# Altium PCB PCB.PcbDoc (part 3 of 10) (continued)
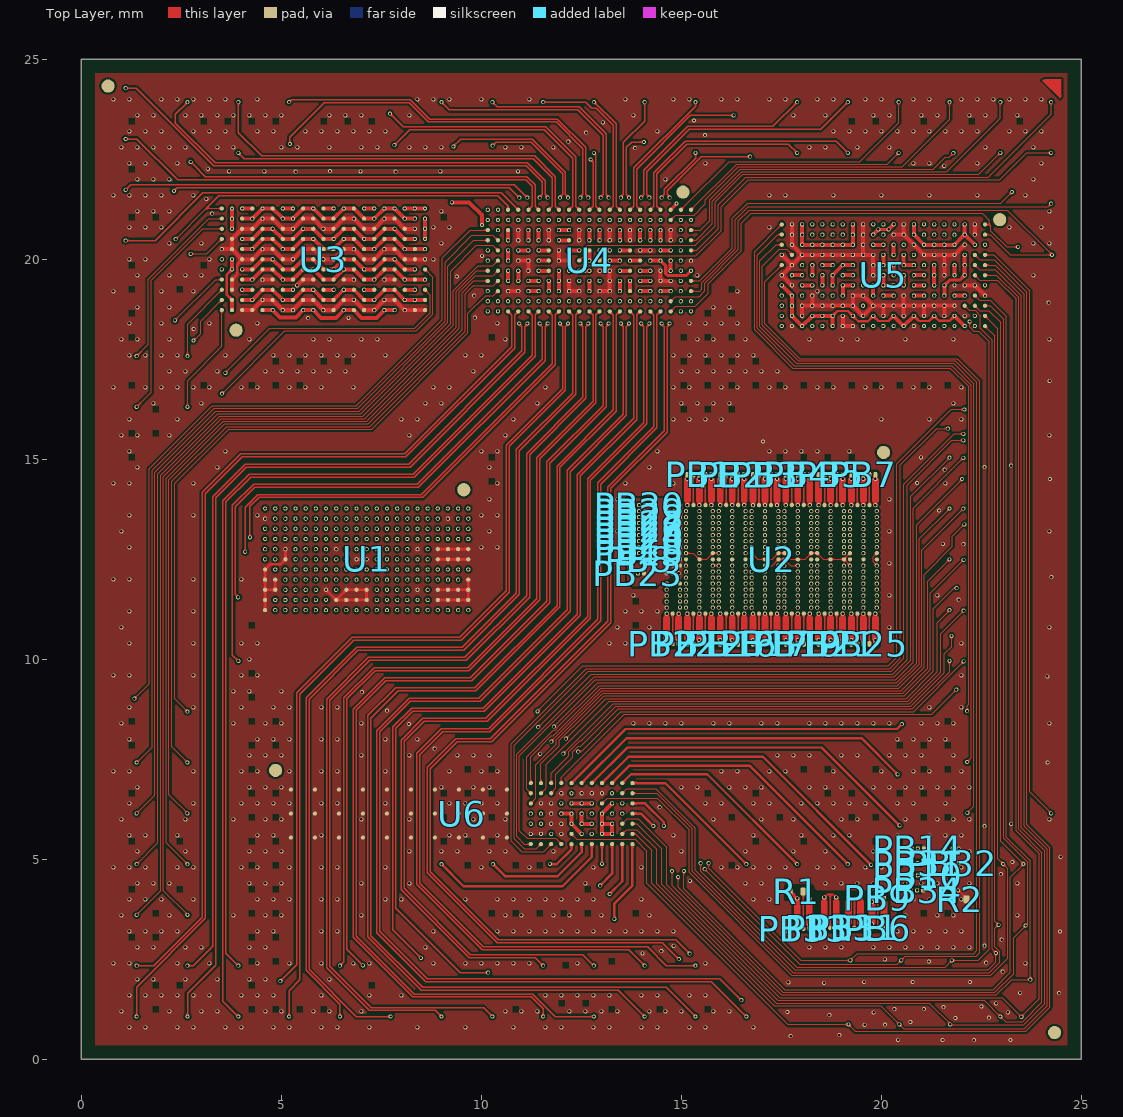
[diagram p0: Top Layer view]
## Nets (pads, with @x,y where several pads share a name; then routed paths per layer and width w, separated by ;. In a path a pad name is that pad's centre, name@x,y a point inside that pad or via, vN(x,y) a via of type N, cw(c..) or ccw(c..) an arc to the next point about the centre after c; other vN are vias at no path point) (continued)
  bu2b w0.1: v8(22.66,22.66) v4(22.86,22.66)
  bu1 w0.03: v5(19.66,14.821) 19.66,14.833 19.599,14.894 19.599,15.336 20.908,16.645 22.484,16.645 23.308,17.469 23.308,20.525 v5(23.404,20.621) 23.404,20.625 23.454,20.675 23.454,20.698 23.451,20.701 23.451,21.052 23.485,21.086 23.485,22.15 v6(22.975,22.661)
  bu1b w0.1: v8(22.66,22.66) v6(22.975,22.661)
  other v1: 19.067,13.404 22.975,22.661
  other v2: 18.02,19.094 22.975,22.661
  other v3: 22.66,22.66
  other v5: 22.975,22.661
  other v7: 22.975,22.661
  other v10: 22.66,22.66
sig_B3: J1.B3 U1.N2 U2.223 U4.U3 | length 42.8
  Top Layer w0.03: U4.U3@15.242,20.73 15.478,20.73 15.709,20.961 15.709,21.493 16.467,22.251 21.295,22.251 21.598,22.554 21.699,22.554 v1(21.801,22.656)
  Core1 w0.1: v3(21.39,22.66) 21.392,22.658 21.799,22.658 v1(21.801,22.656)
  Core1b w0.1: v3(21.39,22.66) v6(21.705,22.661)
  bu3b w0.1: v3(21.39,22.66) v4(21.59,22.66)
  bu2 w0.03: v1(7.895,13.516) 7.895,15.031 10.12,17.256 15.475,17.256 16.627,18.408 16.627,21.704 17.445,22.522 21.667,22.522 v1(21.801,22.656) ; v2@18.397,13.259 18.623,13.485 18.623,13.879 19.302,14.558 v5(19.302,15.224)
  bu2b w0.1: v3(21.39,22.66) v4(21.59,22.66)
  bu1 w0.03: v5(19.302,15.224) 19.302,15.335 20.815,16.848 22.351,16.848 23.044,17.541 23.044,22.131 22.519,22.656 v1(21.801,22.656)
  bu1b w0.1: v3(21.39,22.66) v6(21.705,22.661)
  other v1: 18.397,13.254
  other v2: 18.397,13.254 7.895,13.516 21.801,22.656
  other v5: 21.801,22.656
  other v7: 21.801,22.656
  other v8: 21.39,22.66
  other v10: 21.39,22.66
sig_B4: J1.B4 U1.M3 U2.226 U4.U1 | length 42.7
  Top Layer w0.03: U4.U1@15.242,21.238 16.384,22.38 20.154,22.38 v7(20.435,22.661)
  Core1 w0.1: v3(20.12,22.66) v7(20.435,22.661)
  Core1b w0.1: v3(20.12,22.66) v7(20.435,22.661)
  bu3b w0.1: v3(20.12,22.66) v4(20.32,22.66)
  bu2 w0.03: v1(7.641,13.262) 7.639,15.455 9.831,17.647 15.295,17.647 16.063,18.415 16.063,22.614 16.388,22.939 20.156,22.939 v7(20.435,22.661)
  bu2b w0.1: v3(20.12,22.66) v4(20.32,22.66)
  bu1 w0.03: v1(18.397,12.804) 18.627,13.034 18.627,13.946 19.234,14.553 19.234,15.164 19.212,15.186 19.212,15.345 20.795,16.928 22.319,16.928 22.97,17.579 22.97,22.092 22.511,22.551 21.11,22.551 21.001,22.661 v7(20.435,22.661)
  bu1b w0.1: v3(20.12,22.66) v7(20.435,22.661)
  other v1: 20.435,22.661
  other v2: 18.397,12.804 7.641,13.262 20.435,22.661
  other v5: 18.397,12.804 20.435,22.661
  other v6: 20.435,22.661
  other v8: 20.12,22.66
  other v10: 20.12,22.66
sig_B5: J1.B5 U1.M2 U2.238 U4.Q1 | length 38
  Top Layer w0.035: U4.Q1@14.226,21.238 14.316,21.328 14.316,22.166 15.103,22.953 18.872,22.953 v7(19.165,22.661)
  bu3 w0.03: v1(7.641,13.516) 7.629,13.516 7.551,13.594 7.551,15.22 7.975,15.644 v2(7.98,15.644)
  Core1 w0.1: v3(18.85,22.66) v7(19.165,22.661)
  Core1b w0.1: v3(18.85,22.66) v7(19.165,22.661)
  bu3b w0.1: v3(18.85,22.66) v4(19.05,22.66)
  bu2 w0.03: v2(7.98,15.644) 7.98,15.649 9.901,17.57 15.327,17.57 16.14,18.383 16.14,22.582 16.422,22.864 18.961,22.864 v7(19.165,22.661)
  bu1 w0.03: v2(18.247,12.954) 18.152,13.049 18.152,13.98 18.372,14.2 18.372,14.963 18.351,14.984 18.351,15.133 18.36,15.142 18.36,16.539 17.148,17.751 17.148,21.567 17.908,22.327 18.831,22.327 v7(19.165,22.661)
  bu1b w0.1: v4(19.05,22.66) v7(19.165,22.661)
  other v1: 18.247,12.954 19.165,22.661
  other v2: 19.165,22.661
  other v5: 18.247,12.954 19.165,22.661
  other v6: 19.165,22.661
  other v8: 19.05,22.66
  other v10: 18.85,22.66
sig_B6: J1.B6 U1.M1 U2.235 U4.R1 | length 33.7
  Top Layer w0.035: U4.R1@14.48,21.238 14.39,21.328 14.39,22.135 15.134,22.879 17.676,22.879 v6(17.895,22.661)
  bu3 w0.03: v1(7.641,13.77) 7.641,15.139 7.874,15.372 v2(7.879,15.372)
  Core1 w0.1: v3(17.58,22.66) v6(17.895,22.661)
  Core1b w0.1: v3(17.58,22.66) v6(17.895,22.661)
  bu3b w0.1: v3(17.58,22.66) v4(17.78,22.66)
  bu2 w0.03: v2(7.879,15.372) 7.879,15.377 9.994,17.492 15.36,17.492 16.219,18.351 16.219,22.528 16.49,22.799 17.756,22.799 v6(17.895,22.661) ; v2(18.247,13.404) 18.086,13.565 18.086,14.062 18.282,14.258 v5@18.282,14.891
  bu2b w0.1: v3(17.58,22.66) v4(17.78,22.66)
  bu1 w0.03: v6(17.895,22.661) 17.069,21.835 17.069,17.751 18.281,16.539 v5(18.281,14.892)
  bu1b w0.1: v3(17.58,22.66) v6(17.895,22.661)
  other v1: 18.247,13.404 17.895,22.661
  other v2: 17.895,22.661
  other v5: 17.895,22.661
  other v7: 17.895,22.661
  other v8: 17.58,22.66
  other v10: 17.58,22.66
sig_B7: J1.B7 U1.N3 U2.254 U4.R2 | length 31.2
  Top Layer w0.035: v1(14.708,21.541) 14.708,21.558 14.644,21.622 14.644,21.716 15.493,22.565 v2(16.719,22.565)
  bu3 w0.035: v1(14.48,20.984) 14.708,21.212 v1(14.708,21.541)
  Core1 w0.1: v8(16.31,22.66) 16.635,22.66 16.719,22.576 v2(16.719,22.565)
  Core1b w0.1: v8(16.31,22.66) v6(16.625,22.661)
  bu3b w0.1: v8(16.31,22.66) v4(16.51,22.66)
  bu2 w0.03: v1(7.895,13.262) 7.805,13.352 7.805,13.64 7.811,13.646 7.811,15.043 10.101,17.333 15.443,17.333 16.548,18.438 16.548,22.412 16.701,22.565 v2(16.719,22.565)
  bu2b w0.1: v8(16.31,22.66) v4(16.51,22.66)
  bu1 w0.03: v2(16.719,22.565) 16.585,22.431 16.585,17.635 17.777,16.443 17.777,15.132 17.768,15.123 17.768,14.974 17.788,14.954 17.788,14.67 17.684,14.566 17.684,13.061 v2(17.577,12.954)
  bu1b w0.1: v8(16.31,22.66) v6(16.625,22.661)
  other v1: 17.577,12.954 16.719,22.565
  other v2: 7.895,13.262
  other v3: 16.31,22.66
  other v5: 17.577,12.954 16.719,22.565
  other v7: 16.719,22.565
  other v10: 16.31,22.66
sig_B8: J1.B8 U1.J1 U2.250 U4.Q2 | length 29
  Top Layer w0.035: v1(14.506,21.541) 14.506,21.558 14.57,21.622 14.57,21.747 15.355,22.531 v2(15.355,22.661)
  bu3 w0.03: v1(6.879,13.77) 6.879,16.475 v2@7.675,17.271
  bu3 w0.035: v1(14.226,20.984) 14.506,21.264 v1(14.506,21.541)
  Core1 w0.1: v3(15.04,22.66) v2(15.355,22.661)
  Core1b w0.1: v3(15.04,22.66) v2(15.355,22.661)
  bu3b w0.1: v3(15.04,22.66) v4(15.24,22.66)
  bu2 w0.03: v2(7.679,17.271) 9.464,19.056 9.464,21.785 9.691,22.012 14.706,22.012 v2(15.355,22.661) ; v1(17.577,13.554) 17.677,13.654 17.677,14.76 17.699,14.782 v5(17.698,14.882)
  bu2b w0.1: v3(15.04,22.66) v4(15.24,22.66)
  bu1 w0.03: v2(15.355,22.661) 16.366,21.649 16.366,20.961 16.508,20.819 16.508,17.608 17.698,16.418 v5(17.698,14.882)
  bu1b w0.1: v3(15.04,22.66) v2(15.355,22.661)
  other v1: 15.355,22.661
  other v2: 17.577,13.554
  other v5: 15.355,22.661
  other v6: 15.355,22.661
  other v7: 15.355,22.661
  other v8: 15.04,22.66
  other v10: 15.04,22.66
sig_B9: J1.B9 U1.J2 U2.253 U4.N2 | length 30.6
  Top Layer w0.035: v1(13.692,21.541) 13.692,21.558 13.628,21.622 13.628,22.8 13.761,22.933 v2(14.062,22.933)
  bu3 w0.03: v1(6.879,13.516) 6.867,13.516 6.789,13.594 6.789,13.981 6.801,13.993 6.801,16.536 7.744,17.479 v2(7.744,17.481)
  bu3 w0.035: v1(13.464,20.984) 13.692,21.212 v1(13.692,21.541)
  Core1 w0.1: v3(13.77,22.66) 13.779,22.66 14.052,22.933 v2(14.062,22.933)
  Core1b w0.1: v3(13.77,22.66) v6(14.085,22.661)
  bu3b w0.1: v3(13.77,22.66) v4(13.97,22.66)
  bu2 w0.03: v2(7.744,17.481) 9.386,19.123 9.386,21.829 9.637,22.08 13.504,22.08 14.062,22.638 v2(14.062,22.933)
  bu2b w0.1: v3(13.77,22.66) v4(13.97,22.66)
  bu1 w0.03: v2(14.062,22.933) 14.062,22.683 14.233,22.512 15.36,22.512 16.288,21.584 16.288,20.896 16.433,20.751 16.433,17.57 17.618,16.385 17.618,14.979 17.608,14.969 17.608,14.829 17.628,14.809 17.628,14.695 17.577,14.644 v5(17.577,13.104)
  bu1b w0.1: v3(13.77,22.66) v6(14.085,22.661)
  other v1: 17.577,13.104 14.062,22.933
  other v2: 17.577,13.104
  other v5: 14.062,22.933
  other v7: 14.062,22.933
  other v8: 13.77,22.66
  other v10: 13.77,22.66
sig_B10: J1.B10 U1.I2 U2.263 U4.L1 | length 29.7
  Top Layer w0.035: v5(12.815,22.661) v5(12.815,22.661) 12.866,22.607 12.866,21.328 U4.L1@12.956,21.238
  bu3 w0.03: v1(6.625,13.516) 6.613,13.516 6.535,13.594 6.535,13.981 6.547,13.993 6.547,16.972 v2@7.665,18.09
  Core1 w0.1: v3(12.5,22.66) v5(12.815,22.661)
  Core1b w0.1: v3(12.5,22.66) v5(12.815,22.661)
  bu3b w0.1: v3(12.5,22.66) v4(12.7,22.66)
  bu2 w0.03: v2(7.665,18.092) 8.93,19.357 8.93,22.892 9.277,23.239 12.236,23.239 v5(12.815,22.661) ; v5(17.28,15.103) 17.28,14.835 17.327,14.788 17.327,13.654 v2(17.427,13.554)
  bu2b w0.1: v3(12.5,22.66) v4(12.7,22.66)
  bu1 w0.03: v5(12.815,22.661) 13.23,22.245 15.283,22.245 16.065,21.463 16.065,17.487 17.28,16.271 v5(17.28,15.103)
  bu1b w0.1: v3(12.5,22.66) v5(12.815,22.661)
  other v1: 17.427,13.554 12.815,22.661
  other v2: 12.815,22.661
  other v6: 12.815,22.661
  other v7: 12.815,22.661
  other v8: 12.5,22.66
  other v10: 12.5,22.66
sig_B11: J1.B11 U1.I1 U2.267 U4.K1 | length 30.9
  Top Layer w0.035: U4.K1@12.702,21.238 12.792,21.328 12.792,22.439 v1(12.735,22.496)
  bu3 w0.03: v1(6.625,13.77) 6.625,16.908 v2@7.4,17.683
  Core1 w0.1: v3(11.23,22.66) v6(11.545,22.661)
  Core1b w0.1: v3(11.23,22.66) v6(11.545,22.661)
  bu3b w0.1: v3(11.23,22.66) v4(11.43,22.66)
  bu2 w0.03: v2(7.4,17.685) 9.006,19.291 9.006,22.873 9.303,23.17 10.525,23.17 11.034,22.661 v6(11.545,22.661)
  bu2 w0.035: v6(11.545,22.661) 11.709,22.496 v1(12.735,22.496)
  bu2b w0.1: v3(11.23,22.66) v4(11.43,22.66)
  bu1 w0.03: v6(11.545,22.661) 12.041,22.164 15.249,22.164 15.984,21.429 15.984,17.453 17.199,16.238 17.199,15.188 17.19,15.179 17.19,15.03 17.21,15.01 17.21,14.865 17.331,14.744 17.331,13.05 v1(17.427,12.954)
  bu1b w0.1: v3(11.23,22.66) v6(11.545,22.661)
  other v2: 17.427,12.954 12.735,22.496
  other v5: 17.427,12.954 11.545,22.661
  other v7: 11.545,22.661
  other v8: 11.23,22.66
  other v10: 11.23,22.66
sig_B12: J1.B12 U1.J5 U2.280 U4.G2 | length 32.9
  Top Layer w0.035: v7(10.283,22.842) 10.368,22.927 11.248,22.927 12.03,22.145 12.03,21.622 11.966,21.558 v1(11.966,21.541)
  bu3 w0.035: v1(11.686,20.984) 11.966,21.264 v1(11.966,21.541)
  Core1 w0.1: v3(9.96,22.66) 10.014,22.66 10.187,22.832 10.273,22.832 v7(10.283,22.842)
  Core1b w0.1: v3(9.96,22.66) v6(10.275,22.661)
  bu3b w0.1: v3(9.96,22.66) v4(10.16,22.66)
  bu2 w0.03: v2@6.882,12.754 6.755,12.881 6.723,12.913 6.723,13.408 6.71,13.421 6.71,16.848 9.082,19.219 9.082,22.837 9.348,23.103 10.022,23.103 v7(10.283,22.842) ; v5(16.71,15.391) 16.71,15.296 16.585,15.171 16.585,14.772 16.918,14.439 16.918,13.565 v1(16.757,13.404)
  bu2b w0.1: v3(9.96,22.66) v4(10.16,22.66)
  bu1 w0.03: v7(10.283,22.842) 9.663,22.222 9.663,18.683 10.504,17.842 14.933,17.842 16.71,16.065 v5(16.71,15.391)
  bu1b w0.1: v3(9.96,22.66) v6(10.275,22.661)
  other v1: 6.879,12.754 10.283,22.842
  other v2: 6.879,12.754 16.757,13.404 10.283,22.842
  other v5: 10.283,22.842
  other v8: 9.96,22.66
  other v10: 9.96,22.66
sig_B13: J1.B13 U1.J4 U2.282 U4.H2 | length 32.6
  Top Layer w0.035: v7(9.3,22.821) 9.48,23.001 11.279,23.001 12.104,22.176 12.104,21.622 12.168,21.558 v1(12.168,21.541)
  bu3 w0.035: v1(11.94,20.984) 12.168,21.212 v1(12.168,21.541)
  Core1 w0.1: v10(8.69,22.66) 9.139,22.66 v7(9.3,22.821)
  Core1b w0.1: v10(8.69,22.66) v6(9.005,22.661)
  bu3b w0.1: v10(8.69,22.66) v4(8.89,22.66)
  bu2 w0.03: v2@6.879,13.008 6.789,13.098 6.789,13.386 6.795,13.392 6.795,16.813 9.156,19.174 9.156,22.677 v7(9.3,22.821) ; v2@6.88,13.01 v2(6.88,13.008)
  bu2b w0.1: v10(8.69,22.66) v4(8.89,22.66)
  bu1 w0.03: v7(9.3,22.821) 9.423,22.698 9.423,18.583 10.404,17.602 14.867,17.602 16.448,16.021 16.448,15.611 16.429,15.592 16.429,15.426 16.476,15.379 16.476,14.605 16.757,14.324 v5(16.757,13.104)
  bu1b w0.1: v10(8.69,22.66) v6(9.005,22.661)
  other v1: 6.88,13.008 16.757,13.104 9.3,22.821
  other v2: 16.757,13.104 9.3,22.821
  other v3: 8.69,22.66
  other v5: 9.3,22.821
  other v8: 8.69,22.66
sig_B14: J1.B14 U1.H4 U2.296 U4.I1 | length 39.4
  Top Layer w0.035: v7(7.826,22.856) 8.209,23.239 11.574,23.239 12.284,22.529 12.284,21.328 U4.I1@12.194,21.238
  Core1 w0.1: v3(7.42,22.66) 7.471,22.66 7.658,22.846 7.816,22.846 v7(7.826,22.856)
  Core1b w0.1: v3(7.42,22.66) v6(7.735,22.661)
  bu3b w0.1: v3(7.42,22.66) v4(7.62,22.66)
  bu2 w0.03: v2(6.372,13.008) 6.215,13.167 6.215,13.662 6.202,13.675 6.202,16.472 5.415,17.259 5.236,17.259 2.998,19.497 2.998,21.366 3.601,21.969 6.939,21.969 v7(7.826,22.856)
  bu2b w0.1: v3(7.42,22.66) v4(7.62,22.66)
  bu1 w0.03: v7(7.826,22.856) 8.86,21.822 8.86,18.32 9.971,17.209 14.734,17.209 16.036,15.907 16.036,15.603 16.027,15.594 16.027,15.445 16.047,15.425 16.047,14.738 16.5,14.285 16.5,13.061 v5(16.607,12.954)
  bu1b w0.1: v3(7.42,22.66) v6(7.735,22.661)
  other v1: 16.607,12.954 6.372,13.008 7.826,22.856
  other v2: 16.607,12.954 7.826,22.856
  other v5: 7.826,22.856
  other v8: 7.42,22.66
  other v10: 7.42,22.66
sig_B15: J1.B15 U1.E3 U2.293 | length 33.9
  Core1 w0.1: v3(6.15,22.66) v6(6.465,22.661)
  Core1b w0.1: v3(6.15,22.66) v6(6.465,22.661)
  bu3b w0.1: v3(6.15,22.66) v4(6.35,22.66)
  bu2 w0.03: v1(5.609,13.262) 5.607,15.601 1.948,19.26 1.948,22.364 2.661,23.077 6.048,23.077 v6(6.465,22.661) ; v5@15.958,15.352 v5(15.957,15.353) 15.957,14.737 16.446,14.248 16.446,13.565 v2(16.607,13.404)
  bu2b w0.1: v3(6.15,22.66) v4(6.35,22.66)
  bu1 w0.03: v6(6.465,22.661) 7.022,22.103 8.322,22.103 8.781,21.644 8.781,18.32 9.971,17.13 14.701,17.13 15.957,15.874 v5(15.957,15.353)
  bu1b w0.1: v3(6.15,22.66) v6(6.465,22.661)
  other v1: 16.607,13.404
  other v2: 5.609,13.262
  other v5: 6.465,22.661
  other v7: 6.465,22.661
  other v8: 6.15,22.66
  other v10: 6.15,22.66
sig_B16: J1.B16 U1.E2 U2.309 U4.I2 | length 46.6
  Top Layer w0.035: v7(5.214,22.882) 5.214,23.052 6.078,23.916 8.193,23.916 8.675,23.434 11.873,23.434 12.538,22.769 12.538,21.622 12.474,21.558 v1(12.474,21.541)
  bu3 w0.03: v2(5.253,16.094) 5.482,15.865 5.482,13.631 5.597,13.516 v1(5.609,13.516)
  bu3 w0.035: v1(12.194,20.984) 12.474,21.264 v1(12.474,21.541)
  Core1 w0.1: v8(4.88,22.66) 5.092,22.872 5.204,22.872 v7(5.214,22.882)
  Core1b w0.1: v8(4.88,22.66) v6(5.195,22.661)
  bu3b w0.1: v8(4.88,22.66) v4(5.08,22.66)
  bu2 w0.03: v7(5.214,22.882) 5.088,23.008 2.701,23.008 2.025,22.332 2.025,19.292 5.176,16.141 5.2,16.141 5.247,16.094 v2(5.253,16.094) ; v5(15.525,15.002) 15.525,14.801 16.098,14.228 16.098,13.565 v1(15.937,13.404)
  bu2b w0.1: v8(4.88,22.66) v4(5.08,22.66)
  bu1 w0.03: v7(5.214,22.882) 5.214,22.68 4.6,22.066 4.007,22.066 3.113,21.172 3.113,19.328 3.97,18.471 6.998,18.471 8.731,16.738 14.036,16.738 15.527,15.246 15.527,15.004 v5(15.525,15.002)
  bu1b w0.1: v8(4.88,22.66) v6(5.195,22.661)
  other v1: 5.214,22.882
  other v2: 15.937,13.404 5.214,22.882
  other v3: 4.88,22.66
  other v5: 5.214,22.882
  other v10: 4.88,22.66
sig_B17: J1.B17 U1.E1 U2.312 U4.G1 | length 42.9
  Top Layer w0.035: v7(3.925,22.661) 4.069,22.516 11.3,22.516 11.776,22.04 11.776,21.328 U4.G1@11.686,21.238
  bu3 w0.03: v2(5.468,16.023) 5.609,15.882 v1(5.609,13.77)
  Core1 w0.1: v8(3.61,22.66) v7(3.925,22.661)
  Core1b w0.1: v8(3.61,22.66) v7(3.925,22.661)
  bu3b w0.1: v8(3.61,22.66) v4(3.81,22.66)
  bu2 w0.03: v7(3.925,22.661) 3.644,22.941 2.745,22.941 2.103,22.299 2.103,19.325 5.132,16.296 5.195,16.296 v2(5.468,16.023)
  bu2b w0.1: v8(3.61,22.66) v4(3.81,22.66)
  bu1 w0.03: v7(3.925,22.661) 3.047,21.783 3.047,19.279 3.936,18.39 6.964,18.39 8.697,16.657 14.002,16.657 15.435,15.224 15.435,14.926 15.516,14.845 15.516,14.707 16.044,14.179 16.044,13.061 v2(15.937,12.954)
  bu1b w0.1: v8(3.61,22.66) v7(3.925,22.661)
  other v1: 15.937,12.954 3.925,22.661
  other v2: 3.925,22.661
  other v3: 3.61,22.66
  other v5: 15.937,12.954 3.925,22.661
  other v6: 3.925,22.661
  other v10: 3.61,22.66
sig_B18: J1.B18 U1.F4 U2.325 U4.F1 | length 42.8
  Top Layer w0.035: v2(2.731,22.439) 2.809,22.361 3.1,22.07 3.109,22.061 11.141,22.061 11.15,22.052 11.342,21.86 11.342,21.328 U4.F1@11.432,21.238
  Core1 w0.1: v3(2.34,22.66) 2.341,22.66 2.553,22.449 2.721,22.449 v2(2.731,22.439)
  Core1b w0.1: v3(2.34,22.66) v6(2.655,22.661)
  bu3b w0.1: v3(2.34,22.66) v4(2.54,22.66)
  bu2 w0.03: v2(2.731,22.439) 2.182,21.89 2.182,19.358 4.929,16.611 5.025,16.611 5.694,15.942 5.694,13.675 5.707,13.662 5.707,13.167 v2(5.864,13.008)
  bu2b w0.1: v3(2.34,22.66) v4(2.54,22.66)
  bu1 w0.03: v2(2.731,22.439) 2.433,22.439 1.934,21.94 1.934,19.595 3.859,17.67 4.481,17.67 6.229,15.922 13.567,15.922 14.658,14.831 14.658,14.602 14.742,14.518 15.066,14.518 15.682,13.902 15.682,13.059 v5(15.787,12.954)
  bu1b w0.1: v3(2.34,22.66) v6(2.655,22.661)
  other v1: 15.787,12.954 5.864,13.008 2.731,22.439
  other v2: 15.787,12.954
  other v5: 2.731,22.439
  other v7: 2.731,22.439
  other v8: 2.34,22.66
  other v10: 2.34,22.66
sig_B19: J1.B19 U1.B1 U2.322 U4.E1 | length 44.2
  Top Layer w0.035: v5(1.11,23.007) 1.384,23.007 2.395,21.996 2.404,21.987 11.11,21.987 11.119,21.978 11.268,21.829 11.268,21.328 U4.E1@11.178,21.238
  bu3 w0.03: v2(4.459,15.134) 4.55,15.043 4.587,15.043 4.849,14.781 4.849,13.772 v1(4.848,13.77)
  Core1 w0.1: v8(1.07,22.66) 1.07,22.953 1.11,22.993 v5(1.11,23.007)
  Core1b w0.1: v8(1.07,22.66) v6(1.385,22.661)
  bu3b w0.1: v8(1.07,22.66) v4(1.27,22.66)
  bu2 w0.03: v5(1.11,23.007) 1.398,22.719 1.398,18.151 4.347,15.202 4.391,15.202 v2(4.459,15.134) ; v5(14.574,14.548) 14.581,14.548 14.721,14.408 15.25,14.408 15.622,14.036 15.622,13.569 v2(15.787,13.404)
  bu2b w0.1: v8(1.07,22.66) v4(1.27,22.66)
  bu1 w0.03: v5(1.11,23.007) 1.85,22.267 1.85,19.567 3.816,17.601 4.438,17.601 6.196,15.843 13.544,15.843 14.574,14.813 v5(14.574,14.548)
  bu1b w0.1: v8(1.07,22.66) v6(1.385,22.661)
  other v1: 15.787,13.404 1.11,23.007
  other v2: 1.11,23.007
  other v3: 1.07,22.66
  other v7: 1.11,23.007
  other v10: 1.07,22.66
sig_C1: J1.C1 U1.O3 U2.192 U4.U9 | length 45.7
  Top Layer w0.03: U4.U9@15.242,19.206 15.46,19.206 15.506,19.252 15.506,19.414 16.354,20.262 16.354,20.993 16.679,21.318 24.172,21.318 v6(24.245,21.391)
  Core1 w0.1: v3(23.93,21.39) v6(24.245,21.391)
  Core1b w0.1: v3(23.93,21.39) v6(24.245,21.391)
  bu3b w0.1: v3(23.93,21.39) v4(24.13,21.39)
  bu2 w0.03: v1(8.149,13.262) 8.053,13.358 8.053,13.654 8.078,13.679 8.078,14.81 10.303,17.035 15.566,17.035 16.847,18.315 16.847,21.611 17.546,22.31 23.325,22.31 v6(24.245,21.391) ; v1(19.217,13.554) 19.317,13.654 19.317,13.873 20.319,14.875 v5(20.319,14.983)
  bu2b w0.1: v4(24.13,21.39) 24.13,21.308 v8(24.248,21.19)
  bu1 w0.03: v5(20.319,14.983) 20.319,15.241 21.147,16.069 22.709,16.069 23.883,17.243 23.883,21.029 v6(24.245,21.391)
  bu1b w0.1: v6(24.245,21.391) 24.245,21.193 v8(24.248,21.19)
  other v1: 24.245,21.391
  other v2: 8.149,13.262 19.217,13.554 24.245,21.391
  other v5: 24.245,21.391
  other v7: 24.245,21.391
  other v10: 23.93,21.39
sig_C2: J1.C2 U1.O2 U2.210 U4.U8 U5.C5 | length 50.6
  Top Layer w0.03: U4.U8@15.242,19.46 15.46,19.46 16.279,20.279 16.279,21.024 16.66,21.405 22.985,21.405 v7(23.263,21.683)
  Core1 w0.1: v7(23.263,21.683) 23.273,21.693 23.273,22.047 v10(23.287,22.061)
  Core1b w0.1: v6(23.12,21.59) 23.12,21.84 23.287,22.007 v10(23.287,22.061)
  bu3b w0.1: v3(22.66,21.39) v4(22.86,21.39)
  bu2 w0.03: v1(8.149,13.516) 8.149,14.764 10.342,16.957 15.598,16.957 16.922,18.281 16.922,21.577 17.592,22.247 22.699,22.247 v7(23.263,21.683) 23.108,21.528 23.108,21.223 22.137,20.251 20.493,20.251 20.379,20.365 20.244,20.365 20.13,20.251 18.477,20.251 18.405,20.179 18.405,20.062 18.338,19.995 18.159,19.995 v1(18.02,19.856)
  bu2b w0.1: v4(22.86,21.39) 23.06,21.59 v6(23.12,21.59)
  bu1 w0.03: v5(19.067,12.804) 18.867,13.004 18.867,13.927 19.59,14.65 19.59,14.764 19.544,14.81 19.544,15.385 20.874,16.715 22.437,16.715 23.208,17.486 23.208,21.611 23.208,21.628 v7(23.263,21.683)
  other v1: 19.067,12.804 23.263,21.683
  other v2: 19.067,12.804 8.149,13.516 18.02,19.856 23.263,21.683
  other v5: 23.263,21.683
  other v8: 23.12,21.59
sig_C3: J1.C3 U1.O1 U2.221 | length 33.8
  bu3 w0.03: v1(8.149,13.77) 8.149,14.627 v2(9.05,15.528)
  Core1 w0.1: v10(21.077,22.239) 21.498,22.239 21.654,22.083 v7(21.66,22.083)
  Core1b w0.1: v10(21.077,22.239) 21.081,22.235 21.535,22.235 v6(21.539,22.23)
  bu3b w0.1: v3(21.39,21.39) 21.39,22.081 v6(21.539,22.23)
  bu2 w0.03: v2(9.05,15.528) 10.401,16.879 15.631,16.879 17,18.248 17,21.544 17.644,22.188 21.555,22.188 v7(21.66,22.083) ; v2(18.397,13.554) 18.497,13.654 18.497,13.947 18.985,14.435 v5(18.984,14.944)
  bu1 w0.03: v5(18.984,14.944) 18.984,15.436 20.689,17.141 21.732,17.141 22.54,17.949 22.54,18.416 22.825,18.701 22.825,22.01 22.434,22.401 21.978,22.401 v7(21.66,22.083)
  other v1: 18.397,13.554
  other v4: 21.539,22.23
  other v5: 21.66,22.083
  other v8: 21.539,22.23
sig_C4: J1.C4 U1.P4 U2.222 | length 35.2
  Core1 w0.1: v10(20.107,22.198) 20.404,21.901 20.477,21.901 v5(20.487,21.891)
  Core1b w0.1: v10(20.107,22.198) 20.412,21.893 20.48,21.893 v6(20.489,21.884)
  bu3b w0.1: v4(20.019,21.801) 20.12,21.7 v3(20.12,21.39)
  bu2 w0.03: v1(8.404,13.008) 8.247,13.167 8.247,13.662 8.234,13.675 8.234,14.492 10.544,16.802 15.662,16.802 17.075,18.215 17.075,21.511 17.694,22.13 20.248,22.13 v5(20.487,21.891) ; v2(18.397,13.404) 18.558,13.565 18.558,13.912 19.144,14.498 v5(19.144,15.109)
  bu1 w0.03: v5(19.144,15.109) 19.144,15.387 20.761,17.004 22.271,17.004 22.899,17.632 22.899,22.049 22.466,22.482 21.078,22.482 v5(20.487,21.891)
  bu1b w0.1: v4(20.019,21.801) 20.102,21.884 v6(20.489,21.884)
  other v1: 18.397,13.404
  other v2: 8.404,13.008
  other v7: 20.487,21.891
  other v8: 20.019,21.801
sig_C5: J1.C5 U1.P3 U2.237 | length 30.1
  Core1 w0.1: v6(18.568,22.207) 19.071,22.207 v5(19.238,22.04)
  bu3b w0.1: v6(18.568,22.207) 18.85,21.925 v3(18.85,21.39)
  bu2 w0.03: v1(8.403,13.262) 8.313,13.352 8.313,13.64 8.319,13.646 8.319,14.444 10.602,16.727 15.694,16.727 17.145,18.178 17.145,21.474 17.71,22.04 v5(19.238,22.04)
  bu1 w0.03: v5(18.247,13.104) 18.247,13.969 18.531,14.253 18.531,15.112 18.509,15.134 18.509,15.256 18.517,15.264 18.517,16.541 17.305,17.753 17.305,21.542 17.834,22.071 19.207,22.071 v5(19.238,22.04)
  other v1: 18.247,13.104
  other v2: 18.247,13.104 8.403,13.262
  other v4: 18.568,22.207
  other v7: 19.238,22.04
  other v8: 18.568,22.207
  other v10: 18.568,22.207
sig_C6: J1.C6 U1.P2 U2.233 | length 25.4
  Core1 w0.1: v6(17.538,21.852) 17.569,21.883 17.913,21.883 v5(17.923,21.893)
  bu3b w0.1: v4(17.54,21.609) 17.58,21.569 v3(17.58,21.39)
  bu2 w0.03: v1(8.403,13.516) 8.403,14.392 10.661,16.65 15.726,16.65 17.229,18.153 17.229,21.449 17.673,21.893 v5(17.923,21.893) ; v2(18.247,13.704) 18.247,13.944 18.599,14.296 v5(18.599,15.172)
  bu2b w0.1: v6(17.538,21.852) v4(17.54,21.609) v4(17.54,21.609)
  bu1 w0.03: v5(17.923,21.893) 17.832,21.893 17.387,21.448 17.387,17.751 18.599,16.539 v5(18.599,15.172)
  other v1: 18.247,13.704
  other v2: 8.403,13.516
  other v7: 17.923,21.893
  other v8: 17.538,21.852
  other v10: 17.538,21.852
sig_C7: J1.C7 U1.N4 U2.249 | length 23.7
  Core1 w0.1: v3(16.31,21.39) 16.314,21.386 16.314,21.002 16.223,20.911 16.223,20.751 16.325,20.649 v7(16.325,20.635)
  Core1b w0.1: v3(16.31,21.39) v6(16.625,21.391)
  bu3b w0.1: v3(16.31,21.39) v4(16.51,21.39)
  bu2 w0.03: v2(7.896,13.008) 7.739,13.167 7.739,13.662 7.726,13.675 7.726,15.055 10.081,17.41 15.411,17.41 16.325,18.324 v7(16.325,20.635) ; v5(17.538,14.748) 17.538,14.102 17.577,14.063 v1(17.577,13.704)
  bu2b w0.1: v3(16.31,21.39) v4(16.51,21.39)
  bu1 w0.03: v7(16.325,20.635) 16.325,17.562 17.538,16.349 v5(17.538,14.748)
  bu1b w0.1: v3(16.31,21.39) v6(16.625,21.391)
  other v1: 7.896,13.008
  other v2: 17.577,13.704
  other v5: 16.325,20.635
  other v8: 16.31,21.39
  other v10: 16.31,21.39
sig_C8: J1.C8 U1.K5 U2.265 | length 26.6
  Core1 w0.1: v8(15.04,21.39) v5(15.355,21.391)
  Core1b w0.1: v8(15.04,21.39) v5(15.355,21.391)
  bu3b w0.1: v8(15.04,21.39) v4(15.24,21.39)
  bu2 w0.03: v2@7.136,12.754 6.977,12.913 6.977,13.408 6.964,13.421 6.964,16.393 9.535,18.963 9.535,21.746 9.734,21.945 14.8,21.945 v5(15.355,21.391) ; v5(16.96,14.804) 17.201,14.563 17.201,13.485 v2@17.427,13.259
  bu2b w0.1: v8(15.04,21.39) v4(15.24,21.39)
  bu1 w0.03: v5(15.355,21.391) 15.749,20.996 15.749,17.35 16.96,16.139 v5(16.96,14.804)
  bu1b w0.1: v8(15.04,21.39) v5(15.355,21.391)
  other v1: 7.133,12.754 17.427,13.254
  other v2: 7.133,12.754 17.427,13.254
  other v3: 15.04,21.39
  other v6: 15.355,21.391
  other v7: 15.355,21.391
  other v10: 15.04,21.39
sig_C9: J1.C9 U1.K4 U2.268 | length 27.3
  Core1 w0.1: v8(13.77,21.39) 13.815,21.39 14.129,21.704 v7(14.143,21.704)
  Core1b w0.1: v8(13.77,21.39) v6(14.085,21.391)
  bu3b w0.1: v8(13.77,21.39) v4(13.97,21.39)
  bu2 w0.03: v2@7.133,13.008 7.043,13.098 7.043,13.386 7.049,13.392 7.049,16.358 9.624,18.933 9.624,21.713 9.783,21.872 13.975,21.872 v7(14.143,21.704)
  bu2b w0.1: v8(13.77,21.39) v4(13.97,21.39)
  bu1 w0.03: v7(14.143,21.704) 14.444,22.005 15.183,22.005 15.825,21.363 15.825,17.387 17.04,16.172 17.04,15.035 17.03,15.025 17.03,14.881 17.258,14.653 17.258,12.973 v5(17.427,12.804)
  bu1b w0.1: v8(13.77,21.39) v6(14.085,21.391)
  other v1: 17.427,12.804 7.134,13.008
  other v2: 17.427,12.804 7.134,13.008
  other v3: 13.77,21.39
  other v5: 14.143,21.704
  other v10: 13.77,21.39
sig_C10: J1.C10 U1.K3 U2.264 U4.B2 U4.B10 U4.U2 U4.U10 | length 36.1
  bu3 w0.06: v1(10.416,18.952) 10.548,19.084 10.548,20.863 ; v1(10.416,20.984) 10.537,20.863 ; 10.565,20.863 v5(10.798,20.863) ; v1(15.242,18.952) 15.108,19.086 15.108,20.85 v1(15.242,20.984)
  Core1 w0.1: v3(12.5,21.39) 12.809,21.699 12.94,21.699 v7(12.95,21.709)
  Core1b w0.1: v3(12.5,21.39) v6(12.815,21.391)
  bu3b w0.1: v3(12.5,21.39) v4(12.7,21.39)
  bu2 w0.03: v2(7.133,13.262) 7.133,16.322 9.706,18.895 9.706,21.678 9.835,21.807 12.852,21.807 v7(12.95,21.709) ; v5@17.121,14.937 17.121,14.772 17.263,14.63 17.263,13.568 v2(17.427,13.404)
  bu2b w0.1: v3(12.5,21.39) v4(12.7,21.39)
  bu1 w0.03: v7(12.95,21.709) 13.326,22.085 15.216,22.085 15.905,21.396 15.905,17.42 17.12,16.205 v5(17.12,14.938)
  bu1 w0.06: v5(10.798,20.863) 11.456,20.863 12.302,21.709 v7(12.95,21.709) 13.532,21.127 15.099,21.127 v1(15.242,20.984)
  bu1b w0.1: v3(12.5,21.39) v6(12.815,21.391)
  other v1: 7.133,13.262 17.427,13.404
  other v2: 10.798,20.863 15.242,20.984
  other v5: 15.242,20.984 12.95,21.709
  other v8: 12.5,21.39
  other v10: 12.5,21.39